# Altium PCB Production_v4.PcbDoc (part 2 of 3)
Units mil, origin at the board's own origin, x right, y up, seen from the top; angles counter-clockwise.
Board outline 7165 x 20545 mil, 4 copper layers (Top Layer, Mid-Layer 1, Mid-Layer 2, Bottom Layer), stack 30.6 mil thick; 72 components, 127 nets, 3500 pads, 124 vias.
Unrouted connection lines stored in the file: 1159.
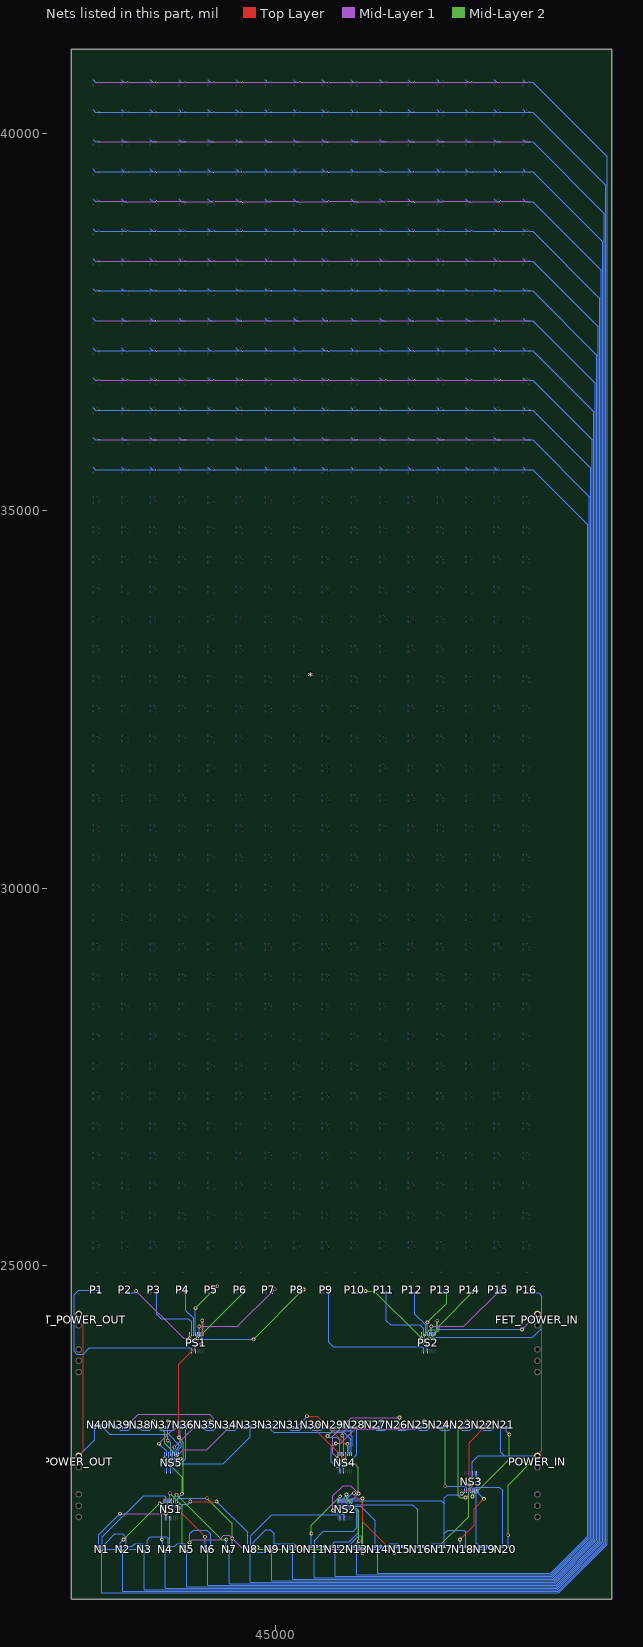
[diagram p4: the nets of this part, all layers, seen from the top]

## Footprints (in the part's own frame and the unit in brackets; to place one, negate y for a bottom-side part, rotate by r counter-clockwise, add the part's x,y. Pads: shape width x height; smd on the part's side, far side on the other; paste and mask are expansions set on the pad) (continued)
PCBComponent_1 [mil] (continued)
  round 20 hole 9: N1(-2775,-7979.57) N1(-2395,-7980) N1(-2015,-7979.57) N1(-1635,-7980) N1(-1255,-7979.57) N1(-875,-7980) N1(-495,-7979.57) N1(-115,-7980) N1(265,-7979.57) N1(645,-7980) N1(1025,-7979.57) N1(1405,-7980) N1(1785,-7979.57) N1(2165,-7980) N1(2545,-7979.57) N1(2925,-7980) N2(-2775,-7584.57) N2(-2395,-7585) N2(-2015,-7584.57) N2(-1635,-7585) N2(-1255,-7584.57) N2(-875,-7585) N2(-495,-7584.57) N2(-115,-7585) N2(265,-7584.57) N2(645,-7585) N2(1025,-7584.57) N2(1405,-7585) N2(1785,-7584.57) N2(2165,-7585) N2(2545,-7584.57) N2(2925,-7585) N3(-2775,-7189.57) N3(-2395,-7190) N3(-2015,-7189.57) N3(-1635,-7190) N3(-1255,-7189.57) N3(-875,-7190) N3(-495,-7189.57) N3(-115,-7190) N3(265,-7189.57) N3(645,-7190) N3(1025,-7189.57) N3(1405,-7190) N3(1785,-7189.57) N3(2165,-7190) N3(2545,-7189.57) N3(2925,-7190) N4(-2775,-6794.57) N4(-2395,-6795) N4(-2015,-6794.57) N4(-1635,-6795) N4(-1255,-6794.57) N4(-875,-6795) N4(-495,-6794.57) N4(-115,-6795) N4(265,-6794.57) N4(645,-6795) N4(1025,-6794.57) N4(1405,-6795) N4(1785,-6794.57) N4(2165,-6795) N4(2545,-6794.57) N4(2925,-6795) N5(-2775,-6399.57) N5(-2395,-6400) N5(-2015,-6399.57) N5(-1635,-6400) N5(-1255,-6399.57) N5(-875,-6400) N5(-495,-6399.57) N5(-115,-6400) N5(265,-6399.57) N5(645,-6400) N5(1025,-6399.57) N5(1405,-6400) N5(1785,-6399.57) N5(2165,-6400) N5(2545,-6399.57) N5(2925,-6400) N6(-2775,-6004.57) N6(-2395,-6005) N6(-2015,-6004.57) N6(-1635,-6005) N6(-1255,-6004.57) N6(-875,-6005) N6(-495,-6004.57) N6(-115,-6005) N6(265,-6004.57) N6(645,-6005) N6(1025,-6004.57) N6(1405,-6005) N6(1785,-6004.57) N6(2165,-6005) N6(2545,-6004.57) N6(2925,-6005) N7(-2775,-5609.57) N7(-2395,-5610) N7(-2015,-5609.57) N7(-1635,-5610) N7(-1255,-5609.57) N7(-875,-5610) N7(-495,-5609.57) N7(-115,-5610) N7(265,-5609.57) N7(645,-5610) N7(1025,-5609.57) N7(1405,-5610) N7(1785,-5609.57) N7(2165,-5610) N7(2545,-5609.57) N7(2925,-5610) N8(-2775,-5214.57) N8(-2395,-5215) N8(-2015,-5214.57) N8(-1635,-5215) N8(-1255,-5214.57) N8(-875,-5215) N8(-495,-5214.57) N8(-115,-5215) N8(265,-5214.57) N8(645,-5215) N8(1025,-5214.57) N8(1405,-5215) N8(1785,-5214.57) N8(2165,-5215) N8(2545,-5214.57) N8(2925,-5215) N9(-2775,-4819.57) N9(-2395,-4820) N9(-2015,-4819.57) N9(-1635,-4820) N9(-1255,-4819.57) N9(-875,-4820) N9(-495,-4819.57) N9(-115,-4820) N9(265,-4819.57) N9(645,-4820) N9(1025,-4819.57) N9(1405,-4820) N9(1785,-4819.57) N9(2165,-4820) N9(2545,-4819.57) N9(2925,-4820) N10(-2775,-4424.57) N10(-2395,-4425) N10(-2015,-4424.57) N10(-1635,-4425) N10(-1255,-4424.57) N10(-875,-4425) N10(-495,-4424.57) N10(-115,-4425) N10(265,-4424.57) N10(645,-4425) N10(1025,-4424.57) N10(1405,-4425) N10(1785,-4424.57) N10(2165,-4425) N10(2545,-4424.57) N10(2925,-4425) N11(-2775,-4029.57) N11(-2395,-4030) N11(-2015,-4029.57) N11(-1635,-4030) N11(-1255,-4029.57) N11(-875,-4030) N11(-495,-4029.57) N11(-115,-4030) N11(265,-4029.57) N11(645,-4030) N11(1025,-4029.57) N11(1405,-4030) N11(1785,-4029.57) N11(2165,-4030) N11(2545,-4029.57) N11(2925,-4030) N12(-2775,-3634.57) N12(-2395,-3635) N12(-2015,-3634.57) N12(-1635,-3635) N12(-1255,-3634.57) N12(-875,-3635) N12(-495,-3634.57) N12(-115,-3635) N12(265,-3634.57) N12(645,-3635) N12(1025,-3634.57) N12(1405,-3635) N12(1785,-3634.57) N12(2165,-3635) N12(2545,-3634.57) N12(2925,-3635) N13(-2775,-3239.57) N13(-2395,-3240) N13(-2015,-3239.57) N13(-1635,-3240) N13(-1255,-3239.57) N13(-875,-3240) N13(-495,-3239.57) N13(-115,-3240) N13(265,-3239.57) N13(645,-3240) N13(1025,-3239.57) N13(1405,-3240) N13(1785,-3239.57) N13(2165,-3240) N13(2545,-3239.57) N13(2925,-3240) N14(-2775,-2844.57) N14(-2395,-2845) N14(-2015,-2844.57) N14(-1635,-2845) N14(-1255,-2844.57) N14(-875,-2845) N14(-495,-2844.57) N14(-115,-2845) N14(265,-2844.57) N14(645,-2845) N14(1025,-2844.57) N14(1405,-2845) N14(1785,-2844.57) N14(2165,-2845) N14(2545,-2844.57) N14(2925,-2845) N15(-2775,-2449.57) N15(-2395,-2450) N15(-2015,-2449.57) N15(-1635,-2450) N15(-1255,-2449.57) N15(-875,-2450) N15(-495,-2449.57) N15(-115,-2450) N15(265,-2449.57) N15(645,-2450) N15(1025,-2449.57) N15(1405,-2450) N15(1785,-2449.57) N15(2165,-2450) N15(2545,-2449.57) N15(2925,-2450) N16(-2775,-2054.57) N16(-2395,-2055) N16(-2015,-2054.57) N16(-1635,-2055) N16(-1255,-2054.57) N16(-875,-2055) N16(-495,-2054.57) N16(-115,-2055) N16(265,-2054.57) N16(645,-2055) N16(1025,-2054.57) N16(1405,-2055) N16(1785,-2054.57) N16(2165,-2055) N16(2545,-2054.57) N16(2925,-2055) N17(-2775,-1659.57) N17(-2395,-1660) N17(-2015,-1659.57) N17(-1635,-1660) N17(-1255,-1659.57) N17(-875,-1660) N17(-495,-1659.57) N17(-115,-1660) N17(265,-1659.57) N17(645,-1660) N17(1025,-1659.57) N17(1405,-1660) N17(1785,-1659.57) N17(2165,-1660) N17(2545,-1659.57) N17(2925,-1660) N18(-2775,-1264.57) N18(-2395,-1265) N18(-2015,-1264.57) N18(-1635,-1265) N18(-1255,-1264.57) N18(-875,-1265) N18(-495,-1264.57) N18(-115,-1265) N18(265,-1264.57) N18(645,-1265) N18(1025,-1264.57) N18(1405,-1265) N18(1785,-1264.57) N18(2165,-1265) N18(2545,-1264.57) N18(2925,-1265) N19(-2775,-869.57) N19(-2395,-870) N19(-2015,-869.57) N19(-1635,-870) N19(-1255,-869.57) N19(-875,-870) N19(-495,-869.57) N19(-115,-870) N19(265,-869.57) N19(645,-870) N19(1025,-869.57) N19(1405,-870) N19(1785,-869.57) N19(2165,-870) N19(2545,-869.57) N19(2925,-870) N20(-2775,-474.57) N20(-2395,-475) N20(-2015,-474.57) N20(-1635,-475) N20(-1255,-474.57) N20(-875,-475) N20(-495,-474.57) N20(-115,-475) N20(265,-474.57) N20(645,-475) N20(1025,-474.57) N20(1405,-475) N20(1785,-474.57) N20(2165,-475) N20(2545,-474.57) N20(2925,-475) N21(-2775,-79.57) N21(-2395,-80) N21(-2015,-79.57) N21(-1635,-80) N21(-1255,-79.57) N21(-875,-80) N21(-495,-79.57) N21(-115,-80) N21(265,-79.57) N21(645,-80) N21(1025,-79.57) N21(1405,-80) N21(1785,-79.57) N21(2165,-80) N21(2545,-79.57) N21(2925,-80) N22(-2775,315.43) N22(-2395,315) N22(-2015,315.43) N22(-1635,315) N22(-1255,315.43) N22(-875,315) N22(-495,315.43) N22(-115,315) N22(265,315.43) N22(645,315) N22(1025,315.43) N22(1405,315) N22(1785,315.43) N22(2165,315) N22(2545,315.43) N22(2925,315) N23(-2775,710.43) N23(-2395,710) N23(-2015,710.43) N23(-1635,710) N23(-1255,710.43) N23(-875,710) N23(-495,710.43) N23(-115,710) N23(265,710.43) N23(645,710) N23(1025,710.43) N23(1405,710) N23(1785,710.43) N23(2165,710) N23(2545,710.43) N23(2925,710) N24(-2775,1105.43) N24(-2395,1105) N24(-2015,1105.43) N24(-1635,1105) N24(-1255,1105.43) N24(-875,1105) N24(-495,1105.43) N24(-115,1105) N24(265,1105.43) N24(645,1105) N24(1025,1105.43) N24(1405,1105) N24(1785,1105.43) N24(2165,1105) N24(2545,1105.43) N24(2925,1105) N25(-2775,1500.43) N25(-2395,1500) N25(-2015,1500.43) N25(-1635,1500) N25(-1255,1500.43) N25(-875,1500) N25(-495,1500.43) N25(-115,1500) N25(265,1500.43) N25(645,1500) N25(1025,1500.43) N25(1405,1500) N25(1785,1500.43) N25(2165,1500) N25(2545,1500.43) N25(2925,1500) N26(-2775,1895.43) N26(-2395,1895) N26(-2015,1895.43) N26(-1635,1895) N26(-1255,1895.43) N26(-875,1895) N26(-495,1895.43) N26(-115,1895) N26(265,1895.43) N26(645,1895) N26(1025,1895.43) N26(1405,1895) N26(1785,1895.43) N26(2165,1895) N26(2545,1895.43) N26(2925,1895) N27(-2775,2290.43) N27(-2395,2290) N27(-2015,2290.43) N27(-1635,2290) N27(-1255,2290.43) N27(-875,2290) N27(-495,2290.43) N27(-115,2290) N27(265,2290.43) N27(645,2290) N27(1025,2290.43) N27(1405,2290) N27(1785,2290.43) N27(2165,2290) N27(2545,2290.43) N27(2925,2290) N28(-2775,2685.43) N28(-2395,2685) N28(-2015,2685.43) N28(-1635,2685) N28(-1255,2685.43) N28(-875,2685) N28(-495,2685.43) N28(-115,2685) N28(265,2685.43) N28(645,2685) N28(1025,2685.43) N28(1405,2685) N28(1785,2685.43) N28(2165,2685) N28(2545,2685.43) N28(2925,2685) N29(-2775,3080.43) N29(-2395,3080) N29(-2015,3080.43) N29(-1635,3080) N29(-1255,3080.43) N29(-875,3080) N29(-495,3080.43) N29(-115,3080) N29(265,3080.43) N29(645,3080) N29(1025,3080.43) N29(1405,3080) N29(1785,3080.43) N29(2165,3080) N29(2545,3080.43) N29(2925,3080) N30(-2775,3475.43) N30(-2395,3475) N30(-2015,3475.43) N30(-1635,3475) N30(-1255,3475.43) N30(-875,3475) N30(-495,3475.43) N30(-115,3475) N30(265,3475.43) N30(645,3475) N30(1025,3475.43) N30(1405,3475) N30(1785,3475.43) N30(2165,3475) N30(2545,3475.43) N30(2925,3475) N31(-2775,3870.43) N31(-2395,3870) N31(-2015,3870.43) N31(-1635,3870) N31(-1255,3870.43) N31(-875,3870) N31(-495,3870.43) N31(-115,3870) N31(265,3870.43) N31(645,3870) N31(1025,3870.43) N31(1405,3870) N31(1785,3870.43) N31(2165,3870) N31(2545,3870.43) N31(2925,3870) N32(-2775,4265.43) N32(-2395,4265) N32(-2015,4265.43) N32(-1635,4265) N32(-1255,4265.43) N32(-875,4265) N32(-495,4265.43) N32(-115,4265) N32(265,4265.43) N32(645,4265) N32(1025,4265.43) N32(1405,4265) N32(1785,4265.43) N32(2165,4265) N32(2545,4265.43) N32(2925,4265) N33(-2775,4660.87) N33(-2395,4660) N33(-2015,4660.87) N33(-1635,4660) N33(-1255,4660.87) N33(-875,4660) N33(-495,4660.87) N33(-115,4660) N33(265,4660.87) N33(645,4660) N33(1025,4660.87) N33(1405,4660) N33(1785,4660.87) N33(2165,4660) N33(2545,4660.87) N33(2925,4660) N34(-2775,5055.87) N34(-2395,5055) N34(-2015,5055.87) N34(-1635,5055) N34(-1255,5055.87) N34(-875,5055) N34(-495,5055.87) N34(-115,5055) N34(265,5055.87) N34(645,5055) N34(1025,5055.87) N34(1405,5055) N34(1785,5055.87) N34(2165,5055) N34(2545,5055.87) N34(2925,5055) N35(-2775,5450.87) N35(-2395,5450) N35(-2015,5450.87) N35(-1635,5450) N35(-1255,5450.87) N35(-875,5450) N35(-495,5450.87) N35(-115,5450) N35(265,5450.87) N35(645,5450) N35(1025,5450.87) N35(1405,5450) N35(1785,5450.87) N35(2165,5450) N35(2545,5450.87) N35(2925,5450) N36(-2775,5845.87) N36(-2395,5845) N36(-2015,5845.87) N36(-1635,5845) N36(-1255,5845.87) N36(-875,5845) N36(-495,5845.87) N36(-115,5845) N36(265,5845.87) N36(645,5845) N36(1025,5845.87) N36(1405,5845) N36(1785,5845.87) N36(2165,5845) N36(2545,5845.87) N36(2925,5845) N37(-2775,6240.87) N37(-2395,6240) N37(-2015,6240.87) N37(-1635,6240) N37(-1255,6240.87) N37(-875,6240) N37(-495,6240.87) N37(-115,6240) N37(265,6240.87) N37(645,6240) N37(1025,6240.87) N37(1405,6240) N37(1785,6240.87) N37(2165,6240) N37(2545,6240.87) N37(2925,6240) N38(-2775,6635.87) N38(-2395,6635) N38(-2015,6635.87) N38(-1635,6635) N38(-1255,6635.87) N38(-875,6635) N38(-495,6635.87) N38(-115,6635) N38(265,6635.87) N38(645,6635) N38(1025,6635.87) N38(1405,6635) N38(1785,6635.87) N38(2165,6635) N38(2545,6635.87) N38(2925,6635) N39(-2775,7030.87) N39(-2395,7030) N39(-2015,7030.87) N39(-1635,7030) N39(-1255,7030.87) N39(-875,7030) N39(-495,7030.87) N39(-115,7030) N39(265,7030.87) N39(645,7030) N39(1025,7030.87) N39(1405,7030) N39(1785,7030.87) N39(2165,7030) N39(2545,7030.87) N39(2925,7030) N40(-2775,7425.87) N40(-2395,7425) N40(-2015,7425.87) N40(-1635,7425) N40(-1255,7425.87) N40(-875,7425) N40(-495,7425.87) N40(-115,7425) N40(265,7425.87) N40(645,7425) N40(1025,7425.87) N40(1405,7425) N40(1785,7425.87) N40(2165,7425) N40(2545,7425.87) N40(2925,7425)
  Top Layer drawing of 22792 lines, arcs and shapes, not listed
  Mid-Layer 1 drawing of 23000 lines, arcs and shapes, not listed
  Mid-Layer 2 drawing of 22712 lines, arcs and shapes, not listed
  Bottom Layer drawing of 25617 lines, arcs and shapes, not listed
  silkscreen extent -2937,-8097 2997,7542, body extent -2871,-8016 2861,7452, height 26
SOP65P640X110-16N [mil]
  rect 58x14 smd: 1(-115,90) 2(-115,64) 3(-115,38) 4(-115,13) 5(-115,-13) 6(-115,-38) 7(-115,-64) 8(-115,-90) 9(115,-90) 10(115,-64) 11(115,-38) 12(115,-13) 13(115,13) 14(115,38) 15(115,64) 16(115,90)
  silkscreen extent -74,-100 198,100

## Part data
FET_POWER_IN FET_POWER_OUT POWER_IN POWER_OUT: "TERM BLOCK HDR 2POS R/A 3.81MM", Colour=Green, Manufacturer=FCI, Supplier Part Number 1=609-3819-ND, TemperatureRange="-40C ~ 115C", Voltage=300V, ComponentLink1Description=Datasheet, ComponentLink1URL=http://portal.fciconnect.com/Comergent//fci/drawing/20020110.pdf, ComponentLink2Description="Digi-Key Listing", ComponentLink2URL=http://www.digikey.ca/product-detail/en/20020110-D021A01LF/609-3819-ND/2261255, Number Of Levels=1, Number Of Positions=2, Orientation="90, Right Angle", PartId=7785, Part Number=20020110-D021A01LF, Pitch="0.150\" (3.81mm)", Positions Per Level=2, Price=.75, Supplier 1=Digi-Key, Type="Through Hole"
N1 N2 N3 N4 N5 N6 N7 N8 N9 N10 N11 N12 N13 N14 N15 N16 N17 N18 N19 N20 N21 N22 N23 N24 N25 N26 N27 N28 N29 N30 N31 N32 N33 N34 N35 N36 N37 N38 N39 N40: "MOSFET N-CH 25V 5.8A SOT23", Current Continuous Drain="5.8A (Ta)", Device Package="TO-236-3, SC-59, SOT-23-3", Drain to Source Voltage (Vdss)=25V, Input Capacitance (Ciss) at Vds="430pF @ 10V", Manufacturer="Infineon Technologies", Supplier Part Number 1=IRFML8244TRPBFCT-ND, ComponentLink1Description=Datasheet, ComponentLink1URL=http://www.irf.com/product-info/datasheets/data/irfml8244pbf.pdf, ComponentLink2Description="Digi-Key Listing", ComponentLink2URL=https://www.digikey.com/product-detail/en/infineon-technologies/IRFML8244TRPBF/IRFML8244TRPBFCT-ND/2538166, Gate Charge (Qg)="5.4nC @ 10V", PartId=29462, Part Number=IRFML8244TRPBF, Price=.67, Rds On (Max) at Id, Vgs="24 mOhm @ 5.8A, 10V", Supplier 1=Digi-Key, Type=N-Channel, Vgs(th) (Max) at Id=20V
N_PIN_IN N_PIN_OUT P_PIN_IN P_PIN_OUT: "TERM BLOCK HDR 3POS R/A 3.81MM", Colour=Green, Manufacturer=FCI, Supplier Part Number 1=609-3820-ND, TemperatureRange="-40C ~ 115C", Voltage=300V, ComponentLink1Description=Datasheet, ComponentLink1URL=http://portal.fciconnect.com/Comergent//fci/drawing/20020110.pdf, ComponentLink2Description="Digi-Key Listing", ComponentLink2URL=http://www.digikey.ca/product-detail/en/20020110-D031A01LF/609-3820-ND/2261261, Number Of Levels=1, Number Of Positions=3, Orientation="90, Right Angle", PartId=7786, Part Number=20020110-D031A01LF, Pitch="0.150\" (3.81mm)", Positions Per Level=3, Price=1.12, Supplier 1=Digi-Key, Type="Through Hole"
NS1 NS2 NS3 NS4 NS5 PS1 PS2: "8-bit serial-in%2C serial or parallel-out shift register with output latches%3B 3-state", Package="TSSOP-16 NXP Semiconductors", Availability=Good, MF="NXP Semiconductors", MP=74HC595PW,118, Price="0.17 USD"
P1 P2 P3 P4 P5 P6 P7 P8 P9 P10 P11 P12 P13 P14 P15 P16: "MOSFET P-CH 30V 2.2A SOT23", Current Continuous Drain="2.2A (Ta)", Device Package="TO-236-3, SC-59, SOT-23-3", Drain to Source Voltage (Vdss)=30V, Input Capacitance (Ciss) at Vds="720pF @ 15V", Manufacturer="ON Semiconductor", Power - Max=480mW, Supplier Part Number 1=NTR4171PT1GOSTR-ND, ComponentLink1Description=Datasheet, ComponentLink1URL=http://www.onsemi.com/pub_link/Collateral/NTR4171P-D.PDF, ComponentLink2Description="Digi-Key Listing", ComponentLink2URL=http://www.digikey.com/product-detail/en/NTR4171PT1G/NTR4171PT1GOSTR-ND/2050558, Features=Standard, Gate Charge (Qg)="15.6nC @ 10V", PartId=8195, Part Number=NTR4171PT1G, Price=.1024, Rds On (Max) at Id, Vgs="75 mOhm @ 2.2A, 10V", Supplier 1=Digi-Key, Type="MOSFET P-Channel, Metal Oxide", Vgs(th) (Max) at Id="1.4V @ 250uA"

## Via types
v1: diameter 50, hole 28, Top Layer to Bottom Layer, 124 vias

## Nets (pads, with @x,y where several pads share a name; then routed paths per layer and width w, separated by ;. In a path a pad name is that pad's centre, name@x,y a point inside that pad or via, vN(x,y) a via of type N, cw(c..) or ccw(c..) an arc to the next point about the centre after c; other vN are vias at no path point)
GATE_N1: N1.1 NS1.15 | length 1218.6
  Mid-Layer 1 w10: v1(42930.81,21709) v1(43541,21709)
  Bottom Layer w10: N1.1@42652.6,21274.84 42652.6,21430.78 v1(42930.81,21709) ; NS1.15@43541,21650 v1(43541,21709)
GATE_N2: N2.1 NS1.1 | length 878.9
  Mid-Layer 2 w10: v1(42978,21365) v1(43458.31,21845.31)
  Bottom Layer w10: N2.1@42934.18,21274.84 42934.18,21321.18 v1(42978,21365) ; v1(43458.31,21845.31) 43515,21845.31 NS1.1@43515,21880
GATE_N3: N3.1 NS1.2 | length 1832
  Bottom Layer w10: N3.1@43215.76,21274.84 43215.76,21250 43205.76,21240 42706,21240 42696,21250 42696,21400 43245,21949 43520,21949 43541,21928 NS1.2@43541,21880
GATE_N4: N4.1 NS1.3 | length 642.6
  Mid-Layer 2 w10: v1(43487,21365) 43487,21760 v1(43528,21801)
  Bottom Layer w10: v1(43487,21365) 43497.34,21354.66 N4.1@43497.34,21274.84 ; v1(43528,21801) 43567,21840 NS1.3@43567,21880
GATE_N5: N5.1 NS1.4 | length 980.3
  Mid-Layer 2 w10: v1(43592,21980) 43758,21814 v1(43758,21226)
  Bottom Layer w10: NS1.4@43592,21880 v1(43592,21980) ; v1(43758,21226) 43778.91,21246.91 N5.1@43778.91,21274.84
GATE_N6: N6.1 NS1.5 | length 809.5
  Top Layer w10: v1(43707.98,21786) 43707.98,21755.52 v1(44060.49,21403.01)
  Bottom Layer w10: NS1.5@43618,21880 43618,21840 43660,21798 43695.98,21798 v1(43707.98,21786) ; N6.1@44060.49,21274.84 v1(44060.49,21403.01)
GATE_N7: N7.1 NS1.6 | length 1092.3
  Mid-Layer 2 w10: v1(43683,21960) 44278,21365 v1(44342.07,21365)
  Bottom Layer w10: NS1.6@43643,21880 43643,21920 v1(43683,21960) ; N7.1@44342.07,21274.84 v1(44342.07,21365)
GATE_N8: N8.1 NS1.7 | length 1361.5
  Top Layer w10: v1(43863,21870) v1(44214,21870)
  Bottom Layer w10: NS1.7@43669,21880 43669,21847 43680,21836 43829,21836 v1(43863,21870) ; v1(44214,21870) 44623.65,21460.35 N8.1@44623.65,21274.84
GATE_N9: N9.1 NS2.15 | length 1819.7
  Bottom Layer w10: N9.1@44905.23,21274.84 44905.23,21240 44865.23,21200 44732,21200 44692,21240 44677,21240 44667,21250 44667,21419 44945.45,21697.45 45840,21697.45 45851,21686.45 NS2.15@45851,21650
GATE_N10: N10.1 NS2.1 | length 1631.7
  Bottom Layer w10: N10.1@45186.81,21274.84 45186.81,21250 45196.81,21240 45491,21240 45511,21260 45511,21360 45627.13,21476.13 46024.13,21476.13 46068,21520 46068,21740 46042.19,21765.81 45894.8,21765.81 45825,21835.61 NS2.1@45825,21880
GATE_N11: N11.1 NS2.2 | length 881.6
  Mid-Layer 2 w10: v1(45468.39,21447) 45468.39,21556.39 v1(45851,21939)
  Bottom Layer w10: N11.1@45468.39,21274.84 v1(45468.39,21447) ; NS2.2@45851,21880 v1(45851,21939)
GATE_N12: N12.1 NS2.3 | length 1024.7
  Bottom Layer w10: N12.1@45749.97,21274.84 45749.97,21306.93 45780,21336.97 45969.97,21336.97 46088,21455 46088,21762 46060,21790 45922,21790 45877,21835 NS2.3@45877,21880
GATE_N13: N13.1 NS2.4 | length 891.6
  Mid-Layer 2 w10: v1(45935,21963) 45935,21905 46098,21742 v1(46098,21345)
  Bottom Layer w10: NS2.4@45902,21880 45902,21930 v1(45935,21963) ; N13.1@46031.55,21274.84 46031.55,21298.55 46051.55,21298.55 v1(46098,21345)
GATE_N14: N14.1 NS2.5 | length 857
  Bottom Layer w10: NS2.5@45928,21880 45928,21845.36 45963.36,21810 46121,21810 46313.12,21617.88 N14.1@46313.12,21274.84
GATE_N15: N15.1 NS2.6 | length 1279.2
  Top Layer w10: v1(46033,21980) 46033,21960 46149,21844 46149,21602 v1(46566,21185)
  Bottom Layer w10: NS2.6@45953,21880 45953,21920 46013,21980 v1(46033,21980) ; v1(46566,21185) 46566,21274.84 N15.1@46594.7,21274.84
GATE_N16: N16.1 NS2.7 | length 1455.6
  Bottom Layer w10: NS2.7@45979,21880 45979,21840 45989,21830 46806.28,21830 46876.28,21760 N16.1@46876.28,21274.84
GATE_N17: N17.1 NS3.15 | length 1345.2
  Mid-Layer 2 w10: v1(47112,21229) 47552,21669 47552,22028 v1(47689.5,22165.5)
  Bottom Layer w10: v1(47112,21229) 47112,21246.84 47140,21274.84 N17.1@47157.86,21274.84 ; NS3.15@47654,22245 47654,22201 v1(47689.5,22165.5)
GATE_N18: N18.1 NS3.1 | length 903.6
  Top Layer w10: v1(47439.44,21368.44) 47628,21557 47628,21777 v1(47757,21906)
  Bottom Layer w10: N18.1@47439.44,21274.84 v1(47439.44,21368.44) ; NS3.1@47680,22015 47680,21983 v1(47757,21906)
GATE_N19: N19.1 NS3.2 | length 780.7
  Bottom Layer w10: NS3.2@47654,22015 47654,21320 47699.16,21274.84 N19.1@47721.02,21274.84
GATE_N20: N20.1 NS3.3 | length 1176.8
  Bottom Layer w10: NS3.3@47628,22015 47628,22050 47640,22062 47960,22062 48002.6,22019.4 N20.1@48002.6,21274.84
GATE_N21: N21.1 NS3.4 | length 1208.9
  Mid-Layer 2 w10: v1(47603,21938) 48093,22428 v1(48093,22760)
  Bottom Layer w10: v1(47603,21938) NS3.4@47603,22015 ; N21.1@48052.61,22850.16 48052.61,22800.39 v1(48093,22760)
GATE_N22: N22.1 NS3.5 | length 1078.9
  Top Layer w10: v1(47560,22095) 47560,22649.59 v1(47810,22899.59)
  Bottom Layer w10: v1(47560,22095) 47577,22078 NS3.5@47577,22015 ; N22.1@47769.59,22850.16 47769.59,22889.18 47780,22899.59 v1(47810,22899.59)
GATE_N23: N23.1 NS3.6 | length 1372.7
  Mid-Layer 2 w10: v1(47512,21923) 47439,21923 47418,21944 47418,22831 v1(47527,22940)
  Bottom Layer w10: N23.1@47486.57,22850.16 47510,22850.16 47527,22867.16 v1(47527,22940) ; v1(47512,21923) 47552,21963 NS3.6@47552,22015
GATE_N24: N24.1 NS3.7 | length 1258
  Mid-Layer 2 w10: v1(47244,22073) v1(47244,22915)
  Bottom Layer w10: N24.1@47203.55,22850.16 47220,22850.16 47244,22874.16 v1(47244,22915) ; v1(47244,22073) 47500,22073 47526,22047 NS3.7@47526,22015
GATE_N25: N25.1 NS4.15 | length 1871.8
  Mid-Layer 1 w10: v1(45793,22640) 45857.02,22640 46045.02,22828 46848,22828 v1(46961,22941)
  Bottom Layer w10: v1(45793,22640) 45732,22579 45732,22395 45800,22327 45830,22327 45846,22311 NS4.15@45846,22270 ; N25.1@46920.53,22850.16 46940,22850.16 46961,22871.16 v1(46961,22941)
GATE_N26: N26.1 NS4.1 | length 1502.9
  Mid-Layer 1 w10: v1(45820,22441) 45752,22509 45752,22736.13 45998.87,22983 v1(46637.51,22983)
  Bottom Layer w10: v1(45820,22441) NS4.1@45820,22500 ; N26.1@46637.51,22850.16 v1(46637.51,22983)
GATE_N27: N27.1 NS4.2 | length 1286.3
  Mid-Layer 2 w10: v1(45682,22737) 45885,22940 v1(46395,22940)
  Bottom Layer w10: v1(45682,22737) 45697,22722 45804,22722 45846,22680 NS4.2@45846,22500 ; N27.1@46354.49,22850.16 46380,22850.16 46395,22865.16 v1(46395,22940)
GATE_N28: N28.1 NS4.3 | length 712.4
  Bottom Layer w10: NS4.3@45872,22500 45872,22400 45892,22380 45959.65,22380 46071.46,22491.82 N28.1@46071.46,22850.16
GATE_N29: N29.1 NS4.4 | length 541.4
  Mid-Layer 1 w10: v1(45879,22745) 45879,22784 v1(45945,22850)
  Bottom Layer w10: N29.1@45788.44,22850.16 45944.84,22850.16 v1(45945,22850) ; v1(45879,22745) 45897,22727 NS4.4@45897,22500
GATE_N30: N30.1 NS4.5 | length 767.7
  Top Layer w10: v1(45546,22884.84) 45546,22797 v1(45923,22420)
  Bottom Layer w10: N30.1@45505.42,22850.16 45505.42,22870.27 45520,22884.84 v1(45546,22884.84) ; v1(45923,22420) NS4.5@45923,22500
GATE_N31: N31.1 NS4.6 | length 1073.9
  Top Layer w10: v1(45412.84,23000) 45548.84,23000 45913.84,22635 v1(45948,22635)
  Bottom Layer w10: N31.1@45222.4,22850.16 45263,22850.16 v1(45412.84,23000) ; NS4.6@45948,22500 v1(45948,22635)
GATE_N32: N32.1 NS4.7 | length 1336.8
  Bottom Layer w10: N32.1@44939.38,22850.16 44939.38,22813.62 44968,22785 45901,22785 45988,22698 45988,22618 45974,22604 NS4.7@45974,22500
GATE_N33: N33.1 NS5.15 | length 1488.3
  Bottom Layer w10: NS5.15@43551,22270 43551,22361 43580,22390 43637,22390 43657,22370 44300.36,22370 44656.36,22726 N33.1@44656.36,22850.16
GATE_N34: N34.1 NS5.1 | length 1208.9
  Mid-Layer 1 w10: v1(43525,22441) 43654,22441 43769,22556 44079.66,22556 v1(44414,22890.34)
  Bottom Layer w10: v1(43525,22441) NS5.1@43525,22500 ; N34.1@44373.34,22850.16 44373.34,22880 44383.68,22890.34 v1(44414,22890.34)
GATE_N35: N35.1 NS5.2 | length 1087.2
  Mid-Layer 1 w10: v1(43449,22637) 43753,22941 v1(44120,22941)
  Bottom Layer w10: v1(43449,22637) 43551,22535 NS5.2@43551,22500 ; N35.1@44090.32,22850.16 44110,22850.16 v1(44120,22941)
GATE_N36: N36.1 NS5.3 | length 739.3
  Bottom Layer w10: NS5.3@43577,22500 43577,22433 43600,22410 43704,22410 43716,22398 43765.3,22398 43807.3,22440 N36.1@43807.3,22850.16
GATE_N37: N37.1 NS5.4 | length 577.1
  Mid-Layer 2 w10: v1(43565,22680) v1(43565,22940)
  Bottom Layer w10: N37.1@43524.28,22850.16 43550,22850.16 43565,22865.16 v1(43565,22940) ; v1(43565,22680) 43602,22643 NS5.4@43602,22500
GATE_N38: N38.1 NS5.5 | length 976.4
  Mid-Layer 2 w10: v1(43370.84,22940) 43525,22785.84 43525,22640 43727,22438 v1(43733,22438)
  Bottom Layer w10: N38.1@43241.25,22850.16 43281,22850.16 v1(43370.84,22940) ; NS5.5@43628,22500 43628,22460 43650,22438 v1(43733,22438)
GATE_N39: N39.1 NS5.6 | length 2102.2
  Mid-Layer 1 w10: v1(43047.84,22900) 43171.84,23024 44120,23024 44170,22974 44170,22920 44130,22880 43943,22880 v1(43653,22590)
  Bottom Layer w10: N39.1@42958.23,22850.16 42998,22850.16 v1(43047.84,22900) ; NS5.6@43653,22500 v1(43653,22590)
GATE_N40: N40.1 NS5.7 | length 1275.3
  Bottom Layer w10: N40.1@42675.21,22850.16 42707.84,22850.16 42798,22760 43577,22760 43720,22617 43720,22600 43679,22559 NS5.7@43679,22500
GATE_P1: P1.1 PS1.15 | length 2768.7
  Bottom Layer w10: P1.1@42662.4,24635.63 42656,24635.63 42622.63,24669 42385,24669 42325,24609 42325,23860 42360,23825 42444,23825 42525,23906 43870,23906 43881,23895 PS1.15@43881,23860
GATE_P2: P2.1 PS1.1 | length 1141.1
  Mid-Layer 1 w10: v1(43148.37,24658.63) 43776,24031 v1(43855,24031)
  Bottom Layer w10: P2.1@43042.4,24635.63 43125.37,24635.63 v1(43148.37,24658.63) ; v1(43855,24031) PS1.1@43855,24090
GATE_P3: P3.1 PS1.2 | length 946.5
  Bottom Layer w10: P3.1@43422.4,24635.63 43422.4,24351.6 43480,24294 43840,24294 43881,24253 PS1.2@43881,24090
GATE_P4: P4.1 PS1.3 | length 589
  Bottom Layer w10: P4.1@43802.4,24635.63 43802.4,24401 43907,24296.4 PS1.3@43907,24090
GATE_P5: P5.1 PS1.4 | length 859.7
  Mid-Layer 2 w10: v1(43932,24433) v1(44223,24724)
  Bottom Layer w10: PS1.4@43932,24090 v1(43932,24433) ; P5.1@44182.4,24635.63 44182.4,24683.4 v1(44223,24724)
GATE_P6: P6.1 PS1.5 | length 1026.4
  Mid-Layer 2 w10: v1(43958,24029) 44578,24649 v1(44578,24683.4)
  Bottom Layer w10: v1(43958,24029) PS1.5@43958,24090 ; P6.1@44562.4,24635.63 44562.4,24667.8 v1(44578,24683.4)
GATE_P7: P7.1 PS1.6 | length 1379
  Mid-Layer 1 w10: v1(43983,24190) 44489.6,24190 v1(44983,24683.4)
  Bottom Layer w10: PS1.6@43983,24090 v1(43983,24190) ; P7.1@44942.4,24635.63 44942.4,24660 44965.8,24683.4 v1(44983,24683.4)
GATE_P8: P8.1 PS1.7 | length 1759.2
  Mid-Layer 2 w10: v1(44702,24020) v1(45363,24681)
  Bottom Layer w10: PS1.7@44009,24090 44009,24040 44029,24020 v1(44702,24020) ; P8.1@45322.4,24635.63 45322.4,24659 45341,24659 v1(45363,24681)
GATE_P9: P9.1 PS2.15 | length 1981.4
  Bottom Layer w10: P9.1@45702.4,24635.63 45702.4,23981.6 45760,23924 46932,23924 46956,23900 PS2.15@46956,23860
GATE_P10: P10.1 PS2.1 | length 1176.1
  Mid-Layer 2 w10: v1(46188.37,24658.63) 46302.37,24658.63 v1(46930,24031)
  Bottom Layer w10: P10.1@46082.4,24635.63 46165.37,24635.63 v1(46188.37,24658.63) ; v1(46930,24031) PS2.1@46930,24090
GATE_P11: P11.1 PS2.2 | length 976.2
  Bottom Layer w10: P11.1@46462.4,24635.63 46462.4,24267.6 46520,24210 46906,24210 46956,24160 PS2.2@46956,24090
GATE_P12: P12.1 PS2.3 | length 603.5
  Bottom Layer w10: P12.1@46842.4,24635.63 46842.4,24352.6 46982,24213 PS2.3@46982,24090
GATE_P13: P13.1 PS2.4 | length 774.1
  Mid-Layer 2 w10: v1(47007,24245) 47263,24501 v1(47263,24683.4)
  Bottom Layer w10: PS2.4@47007,24090 v1(47007,24245) ; P13.1@47222.4,24635.63 47222.4,24660 47245.8,24683.4 v1(47263,24683.4)
GATE_P14: P14.1 PS2.5 | length 1051.7
  Mid-Layer 2 w10: v1(47033,24027) 47041.43,24027 47162.43,24148 47162.43,24202.83 v1(47643,24683.4)
  Bottom Layer w10: v1(47033,24027) PS2.5@47033,24090 ; P14.1@47602.4,24635.63 47602.4,24660 47625.8,24683.4 v1(47643,24683.4)
GATE_P15: P15.1 PS2.6 | length 1391.4
  Mid-Layer 1 w10: v1(47058,24190) 47489,24190 v1(48023,24724)
  Bottom Layer w10: PS2.6@47058,24090 v1(47058,24190) ; P15.1@47982.4,24635.63 47982.4,24683.4 v1(48023,24724)
GATE_P16: P16.1 PS2.7 | length 2138.8
  Bottom Layer w10: PS2.7@47084,24090 47084,24046 48402,24046 48525,24169 48525,24590.63 48480,24635.63 P16.1@48362.4,24635.63
GND: FET_POWER_IN.2 FET_POWER_OUT.2 N1.3 N2.3 N3.3 N4.3 N5.3 N6.3 N7.3 N8.3 N9.3 N10.3 N11.3 N12.3 N13.3 N14.3 N15.3 N16.3 N17.3 N18.3 N19.3 N20.3 N21.3 N22.3 N23.3 N24.3 N25.3 N26.3 N27.3 N28.3 N29.3 N30.3 N31.3 N32.3 N33.3 N34.3 N35.3 N36.3 N37.3 N38.3 N39.3 N40.3 NS1.8 NS1.13 NS2.8 NS2.13 NS3.8 NS3.13 NS4.8 NS4.13 NS5.8 NS5.13 POWER_IN.2 POWER_OUT.2 PS1.8 PS1.13 PS2.8 PS2.13 | length 34718.3
  Top Layer w10: POWER_OUT.2@42385,22475 42445,22535 42445,24295 FET_POWER_OUT.2@42385,24355 ; v1(43713,22718) 43713,23690 44023,24000 ; v1(44023,23960) 44023,24000 ; v1(44023,24268) 44023,24000 ; v1(47462,21975.29) 47502,22015.29 47600,22015.29 v1(47600,22179) ; POWER_IN.2@48465,22475 48525,22535 48525,24295 FET_POWER_IN.2@48465,24355
  Mid-Layer 1 w10: v1(43853.72,21325) 43891.73,21363.01 44253.01,21363.01 44310,21420 44380,21420 v1(44420,21380) ; v1@44437.47,21364.69 44543.16,21259 v1(44754,21259) ; v1(45651,21274.84) 45685.84,21240 v1(46147,21240) ; v1(45755,21750) 45755,21944 45889,22078 45993,22078 v1(46093,21978) ; v1(48261,24151) FET_POWER_IN.2@48465,24355
  Mid-Layer 2 w10: v1(43597,22349.71) 43755,22191.71 v1(43755,21973) 43773,21991 43773,22658 v1(43713,22718) ; v1(44083,21913) 44420,21576 v1(44420,21380) ; v1(44754,21259) 44773,21240 46107,21240 46147,21280 ; v1(45832,22370) 46043,22370 46093,22320 v1(46093,21978) ; v1(46147,21185) v1(46147,21240) 46147,21280 ; v1(46147,21910) 46147,21280 ; v1(46975,23960) 46975,24085 47040,24150 47128,24150 47138,24160 v1(47138,24267) ; v1(48077.4,21423) 48077.4,22087.4 POWER_IN.2@48465,22475
  Bottom Layer w10: POWER_OUT.2@42385,22475 42600.41,22690.41 N40.3@42600.41,22850.16 42600.41,22884 42601.41,22885 42870,22885 42883.43,22871.57 N39.3@42883.43,22850.16 42900.84,22850.16 42939,22812 43042.84,22812 43081,22850.16 N38.3@43166.45,22850.16 43184,22850.16 43222.16,22812 43326,22812 43364.16,22850.16 N37.3@43449.47,22850.16 43460,22816 43647,22816 43681.16,22850.16 N36.3@43732.49,22850.16 ; N1.3@42727.4,21274.84 42727.4,21303.6 42863.8,21440 42965.8,21440 43018,21387.8 43018,21314 43008.98,21304.98 N2.3@43008.98,21274.84 43092.84,21274.84 43131,21313 43233.84,21313 43272,21274.84 N3.3@43290.56,21274.84 43290.56,21360 43335.56,21405 43547.14,21405 43572.14,21380 N4.3@43572.14,21274.84 43592,21274.84 ; NS1.13@43592,21650 43592,21274.84 ; v1(43597,22349.71) 43602,22344.71 NS5.13@43602,22270 ; NS1.8@43695,21880 43695,21913 ; NS5.8@43705,22500 43705,22556 43747,22598 43747,22643.21 43732.49,22657.72 N36.3@43732.49,22850.16 ; v1(43755,21973) 43695,21913 ; PS1.13@43932,23860 43932,23920 43972,23960 v1(44023,23960) ; v1(44023,24268) 44035,24256 PS1.8@44035,24090 ; v1(44083,21913) 43695,21913 ; N6.3@44135.3,21274.84 44135.3,21440 44084.3,21491 43904.72,21491 43853.72,21440 v1(43853.72,21325) N5.3@43853.72,21274.84 43835.16,21274.84 43797,21313 43694.16,21313 43656,21274.84 43592,21274.84 ; N7.3@44416.87,21274.84 44420,21277.97 v1(44420,21380) ; v1(44754,21259) 44738.16,21274.84 N8.3@44698.45,21274.84 44698.45,21327.45 44867,21496 44924.03,21496 44980.03,21440 44980.03,21300 ; N32.3@44864.58,22850.16 44864.58,22870 44864.79,22870.21 ; N9.3@44980.03,21274.84 44980.03,21300 ; N10.3@45261.61,21274.84 45261.61,21301.39 45250,21313 44993.03,21313 44980.03,21300 ; N11.3@45543.19,21274.84 v1(45651,21274.84) ; v1(45755,21750) 45783.62,21721.38 45848.75,21721.38 45870.14,21700 45892,21700 45902,21690 NS2.13@45902,21650 ; N12.3@45824.77,21274.84 45956.84,21274.84 46098,21416 46122,21416 46138,21400 46138,21290 46122.84,21274.84 ; v1(45832,22370) 45897,22305 NS4.13@45897,22270 ; NS4.8@46000,22500 46000,22601 46008,22609 46008,22731.36 45996.66,22742.7 N28.3@45996.66,22850.16 45986.64,22809.98 45733.66,22809.98 45713.64,22830 N29.3@45713.64,22850.16 45628.16,22850.16 45590,22812 45486.16,22812 45448,22850.16 N30.3@45430.62,22850.16 45345.16,22850.16 45307,22812 45203.16,22812 45165,22850.16 N31.3@45147.6,22850.16 45078,22850.16 45043.16,22885 44879.58,22885 44864.79,22870.21 ; v1(46093,21978) 46025,21910 ; v1(46147,21185) 46106.35,21225.65 N13.3@46106.35,21274.84 46122.84,21274.84 ; v1(46147,21910) 46025,21910 ; N27.3@46279.68,22850.16 46297.84,22850.16 46336,22812 46438.84,22812 46477,22850.16 N26.3@46562.7,22850.16 46580.84,22850.16 46619,22812 46721.84,22812 46760,22850.16 N25.3@46845.72,22850.16 46863.84,22850.16 46902,22812 47004.84,22812 47043,22850.16 N24.3@47128.75,22850.16 47146.84,22850.16 47185,22812 47287.84,22812 47326,22850.16 N23.3@47411.77,22850.16 47429.84,22850.16 47468,22812 47570.84,22812 47609,22850.16 N22.3@47694.79,22850.16 47713,22850.16 47751.16,22812 47854,22812 47892.16,22850.16 N21.3@47977.81,22850.16 47977.81,22520 48022.81,22475 ; N15.3@46669.51,21274.84 46651,21274.84 46612.84,21313 46510,21313 46471.84,21274.84 N14.3@46387.93,21274.84 46387.93,21250 46377.93,21240 46157.68,21240 46122.84,21274.84 ; N16.3@46951.08,21274.84 47035,21274.84 47073.16,21313 47176,21313 47214.16,21274.84 N17.3@47232.66,21274.84 47232.66,21440 ; v1(46975,23960) 47007,23928 PS2.13@47007,23860 ; PS2.8@47110,24090 47110,24121 47139,24150 47138,24151 ; v1(47138,24267) 47138,24151 ; v1(47462,21975.29) v1@47481.48,21975.29 ; v1(47600,22179) 47603,22182 NS3.13@47603,22245 47603,22400 47678,22475 48022.81,22475 ; N19.3@47795.82,21274.84 47795.82,21251 47784.82,21240 47524.24,21240 47514.24,21250 N18.3@47514.24,21274.84 47514.24,21467.76 47495,21487 47279.66,21487 47232.66,21440 ; N20.3@48077.4,21274.84 v1(48077.4,21423) ; v1(48261,24151) 47138,24151 ; POWER_IN.2@48465,22475 48022.81,22475 ; N36.3@43732.49,22850.16 43732.49,22870 43747.49,22885 43845.16,22885 43880,22850.16 N35.3@44015.51,22850.16 44033,22850.16 44071.16,22812 44175,22812 44213.16,22850.16 N34.3@44298.54,22850.16 44316.84,22850.16 44355,22812 44457.84,22812 44496,22850.16 N33.3@44581.56,22850.16 44581.56,22870 44596.56,22885 44850,22885 44864.79,22870.21 ; 46025,21910 46005,21910 NS2.8@46005,21880 47192.66,21880 47232.66,21840 ; 47232.66,21440 47232.66,21840 ; 47232.66,21840 47232.66,21920 47274.66,21962 47475.29,21962 47478,21967.82 v1@47481.48,21975.29 ; v1@47481.48,21975.29 47490,21975.29 NS3.8@47500,22015 v1@47481.48,21975.29
N1: *.N40 N1.2 | length 27346.1
  Bottom Layer w10: N1.2@42690,21205.16 42690,20660 48746.27,20660 49390,21303.73 49390,39695 48405,40680 *.N40@48355,40680
N2: *.N39 N2.2 | length 26603.1
  Bottom Layer w10: N2.2@42971.58,21205.16 42971.58,20683.42 42975,20680 48737.99,20680 49370,21312.01 49370,39315 48400,40285 *.N39@48355,40285
N3: *.N38 N3.2 | length 25863.1
  Bottom Layer w10: N3.2@43253.16,21205.16 43253.16,20706.84 43260,20700 48729.71,20700 49350,21320.29 49350,38940 48400,39890 *.N38@48355,39890
N4: *.N37 N4.2 | length 25126.1
  Bottom Layer w10: N4.2@43534.74,21205.16 43534.74,20725.26 43540,20720 48721.42,20720 49330,21328.58 49330,38565 48400,39495 *.N37@48355,39495
N5: *.N36 N5.2 | length 24389
  Bottom Layer w10: N5.2@43816.32,21205.16 43816.32,20743.68 43820,20740 48713.14,20740 49310,21336.86 49310,38190 48400,39100 *.N36@48355,39100
N6: *.N35 N6.2 | length 23651.9
  Bottom Layer w10: N6.2@44097.89,21205.16 44097.89,20762.11 44100,20760 48704.85,20760 49290,21345.15 49290,37815 48400,38705 *.N35@48355,38705
N7: *.N34 N7.2 | length 22911.9
  Bottom Layer w10: N7.2@44379.47,21205.16 44379.47,20785.53 44385,20780 48696.57,20780 49270,21353.43 49270,37440 48400,38310 *.N34@48355,38310
N8: *.N33 N8.2 | length 22178.6
  Bottom Layer w10: N8.2@44661.05,21205.16 44661.05,20801.05 44660,20800 48688.28,20800 49250,21361.72 49250,37065 48400,37915 *.N33@48355,37915
N9: *.N32 N9.2 | length 21437.8
  Bottom Layer w10: N9.2@44942.63,21205.16 44942.63,20822.37 44945,20820 48680,20820 49230,21370 49230,36690 48400,37520 *.N32@48355,37520
N10: *.N31 N10.2 | length 20700.7
  Bottom Layer w10: N10.2@45224.21,21205.16 45224.21,20840.79 45225,20840 48671.72,20840 49210,21378.28 49210,36315 48400,37125 *.N31@48355,37125
N11: *.N30 N11.2 | length 19960.7
  Bottom Layer w10: N11.2@45505.79,21205.16 45505.79,20864.21 45510,20860 48663.43,20860 49190,21386.57 49190,35940 48400,36730 *.N30@48355,36730
N12: *.N29 N12.2 | length 19223.6
  Bottom Layer w10: N12.2@45787.37,21205.16 45787.37,20882.63 45790,20880 48655.15,20880 49170,21394.85 49170,35565 48400,36335 *.N29@48355,36335
N13: *.N28 N13.2 | length 18486.5
  Bottom Layer w10: N13.2@46068.95,21205.16 46068.95,20901.05 46070,20900 48646.86,20900 49150,21403.14 49150,35190 48400,35940 *.N28@48355,35940
N14: *.N27 N14.2 | length 17749.9
  Bottom Layer w10: N14.2@46350.53,21205.16 46350.53,20920.53 46350,20920 48638.58,20920 49130,21411.42 49130,34815 48400,35545 *.N27@48355,35545